# Altium PCB Placa adaptadora TMS320F28335 - PCB.PcbDoc (part 1 of 2)
Units mil, origin at the board's own origin, x right, y up, seen from the top; angles counter-clockwise.
Board outline 7480.31 x 3149.61 mil, 2 copper layers (Top Layer, Bottom Layer); 137 components, 135 nets, 584 pads, 114 vias.
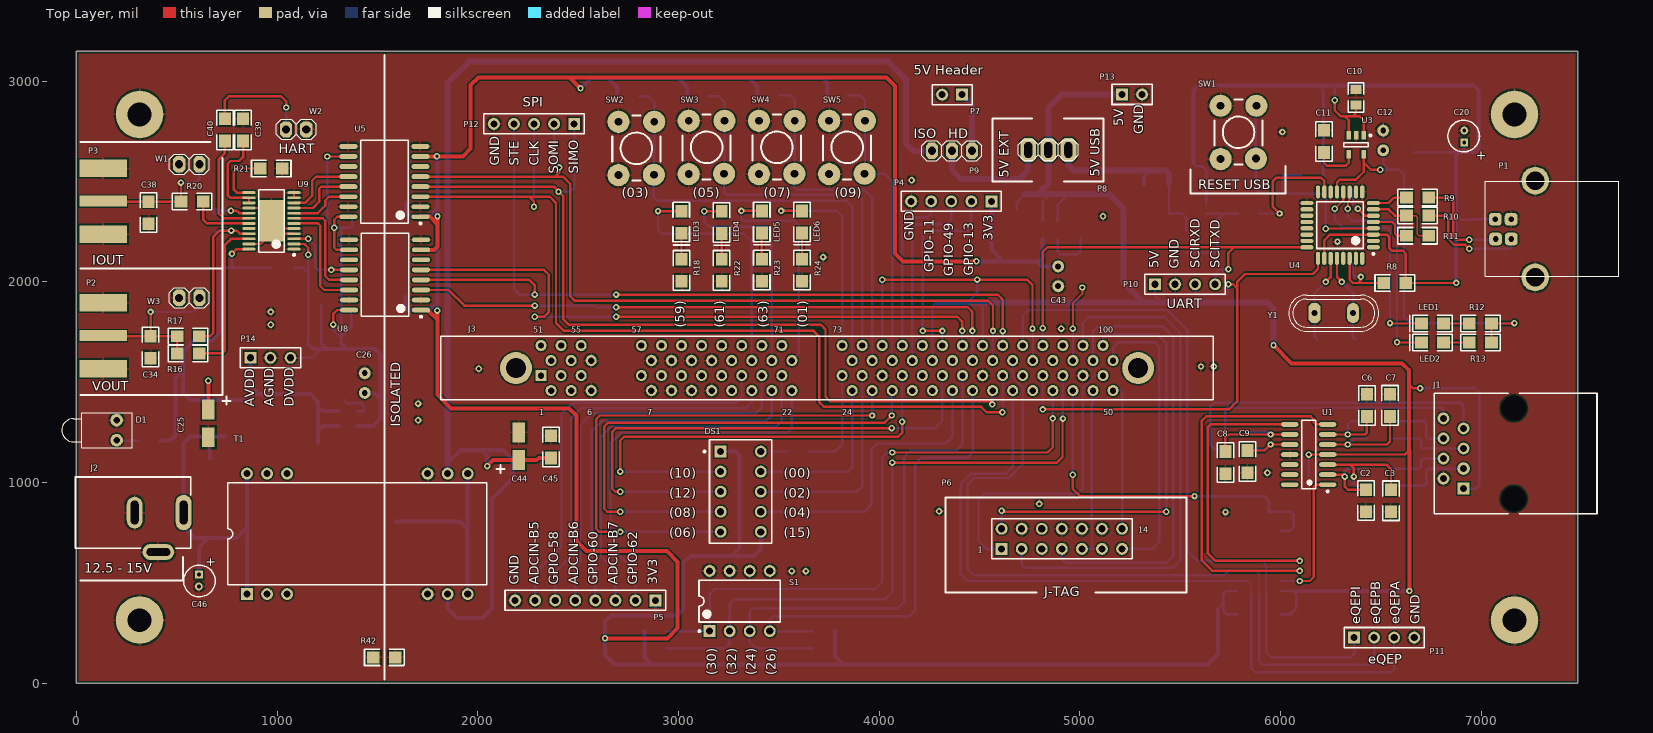
[diagram p0: Top Layer view]
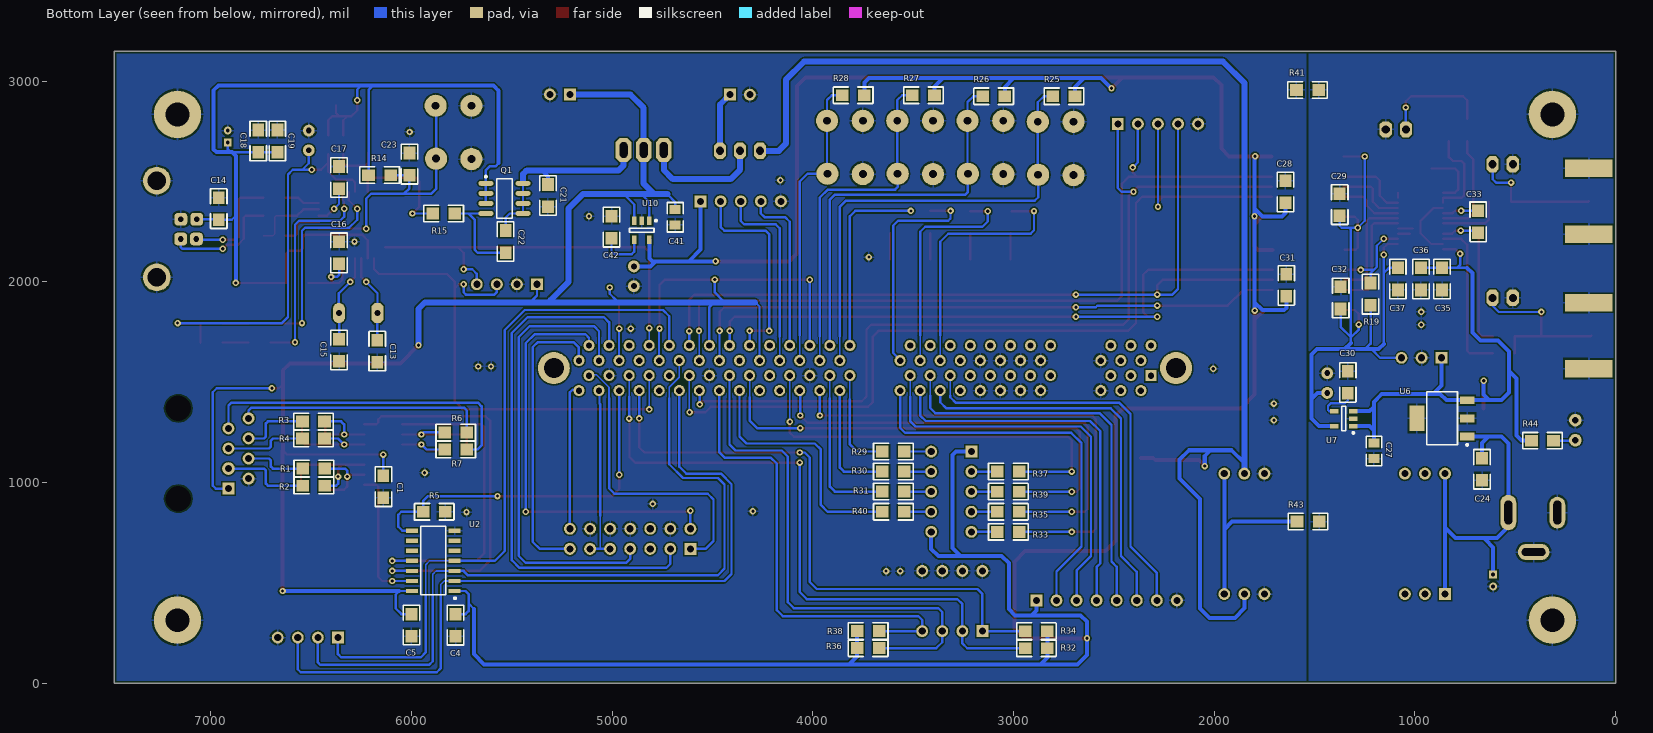
[diagram p1: Bottom Layer view, seen from below]
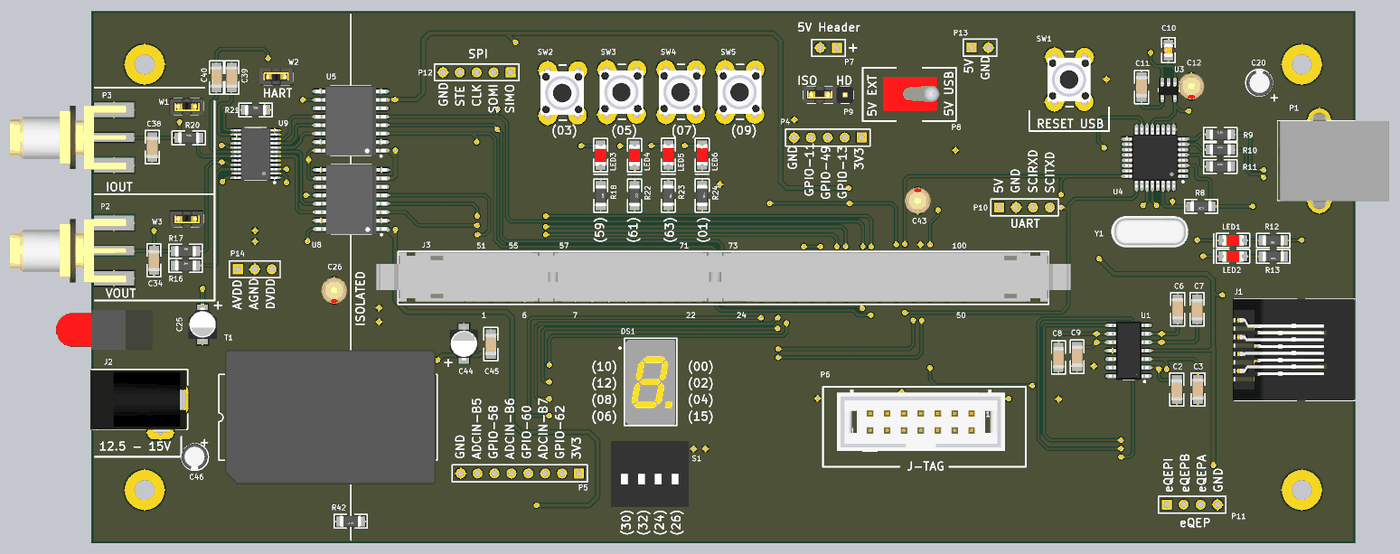
[diagram p3: 3D render of the assembled board from above, using the file's embedded part models]
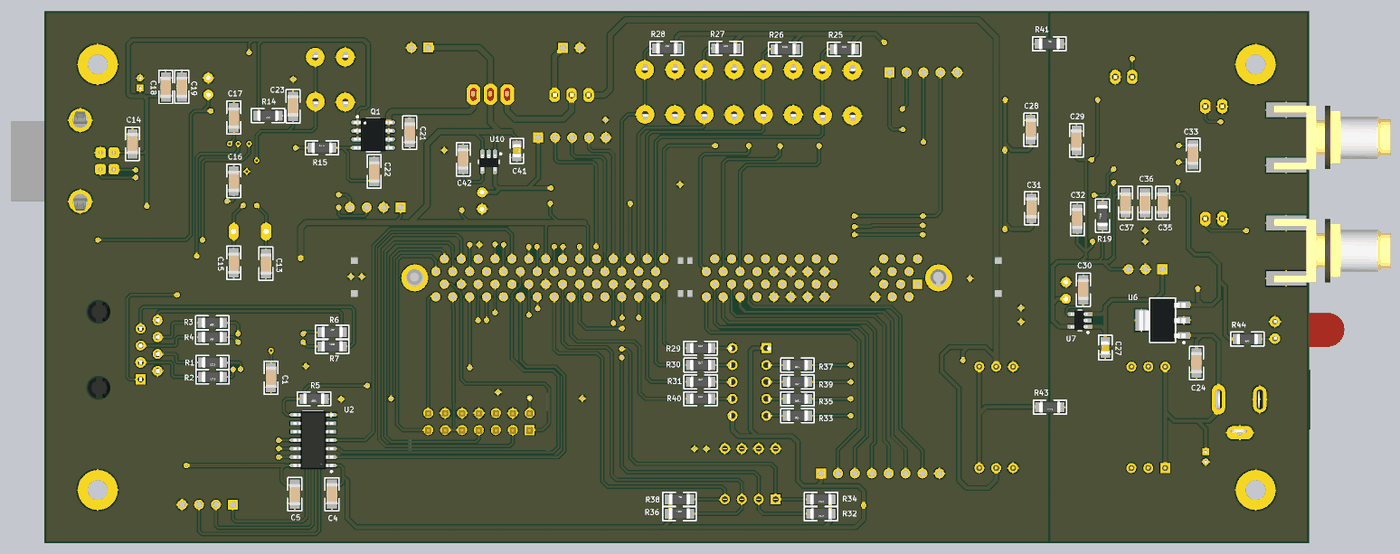
[diagram p4: 3D render of the assembled board from below, using the file's embedded part models]

## Layer stack, top to bottom
Top Solder: solder mask 0.4, Solder Resist, Dk 3.5
Top Layer: signal copper 1.4
Dielectric 1: dielectric 12.6, FR-4, Dk 4.8
Bottom Layer: signal copper 1.4
Bottom Solder: solder mask 0.4, Solder Resist, Dk 3.5

## Board outline
0,0 0,3149.61 7480.31,3149.61 7480.31,0 0,0

## Design rules (kind name [scope] priority, off if disabled: settings)
Clearance [All] p1: gap=7
PolygonConnect [All] p1: connectstyle=Relief reliefconductorwidth=10 reliefentries=4 polygonreliefangle="90 Angle" airgapwidth=10
RoutingVias [All] p1: holewidth=16 width=32 viastyle="Through Hole" minholewidth=16 minwidth=28 maxholewidth=28 maxwidth=50
SilkToSolderMaskClearance [IsPad] p1: minsilkscreentomaskgap=7 clearancetoexposedcopper=TRUE
SolderMaskExpansion [All] p1: expansion=4
Width [All] p1: maxlimit=30 minlimit=6 preferedwidth=8
29 further rules are at their usual default settings.

## Classes and differential pairs
component class TMS320F28335: DS1 J3 LED3 LED4 LED5 LED6 P4 P5 P6 P10 "P10 - uart" P11 P12 R18 R22 R23 R24 R25 R26 R27 R28 R29 R30 R31 R32 R33 R34 R35 R36 R37 R38 R39 R40 S1 SW2 "SW2 (GPIO" SW3 SW4 SW5
component class Encoder: C1 C2 C3 C4 C5 C6 C7 C8 C9 J1 R1 R2 R3 R4 R5 R6 R7 U1 U2
component class DAC: C24 C25 C26 C27 C28 C29 C30 C31 C32 C33 C34 C35 C36 C37 C38 C39 C40 D1 P2 P3 P14 R16 R17 R19 R20 R21 R44 U5 U6 U7 U8 U9 W1 W2 W3
component class USB-UART: C10 C11 C12 C13 C14 C15 C16 C17 C18 C19 C20 C21 C22 C23 LED1 LED2 P1 Q1 R8 R9 R10 R11 R12 R13 R14 R15 SW1 U3 U4 Y1
component class "Power Supply": C41 C42 C43 C44 C45 C46 J2 P7 P8 P9 P13 R41 R42 R43 T1 T* U10

## Components (designator, comment, footprint, x,y, rotation, side; value= is the part's Value field where it differs from the comment)
C1 "C0.1u" "C 1206" 6140,980 r90 bottom
C2 "C?" "C 1206" 6425,910 r270 top
C3 "C?" "C 1206" 6550,910 r90 top
C4 "C0.1u" "C 1206" 5780,290 r90 bottom
C5 "C0.1u" "C 1206" 6000,290 r270 bottom
C6 "C?" "C 1206" 6430,1385 r90 top
C7 "C?" "C 1206" 6545,1385 r270 top
C8 "C?" "C 1206" 5725,1100 r270 top
C9 "C?" "C 1206" 5835,1105 r90 top
C10 "C1u" 0805 6375,2919.25 r90 top
C11 "C10n" "C 1206" 6216.24,2700.13 r90 top
C12 "CT2.2u" Tantalum 6511.24,2705.13 r90 top
C13 "C27p" "C 1206" 6170,1654.88 r270 bottom
C14 "C10n" "C 1206" 6960,2365 r90 bottom
C15 "C27p" "C 1206" 6360,1659.88 r270 bottom
C16 "C0.1u" "C 1206" 6360,2145 r270 bottom
C17 "C33n" "C 1206" 6360,2520 r270 bottom
C18 "C0.1u" "C 1206" 6762.91,2701.76 r270 bottom
C19 "C0.1u" "C 1206" 6667.91,2701.87 r270 bottom
C20 "C10u" CAP4x7x1.5mm 6915,2725 r90 top
C21 "C0.1u" "C 1206" 5320,2430 r270 bottom
C22 "C0.1u" "C 1206" 5530,2200.87 r270 bottom
C23 "C0.1u" "C 1206" 6010,2587 r90 bottom
C24 "C0.1u" "C 1206" 665.35,1066.93 r90 bottom
C25 "C10u" "Almn cap" 657.48,1295.28 r90 top
C26 "CT2.2u" Tantalum 1437.01,1496.06 r90 top
C27 "C1u" 0805 1204.72,1157.48 r90 bottom
C28 "C0.1u" "C 1206" 1645.67,2448.82 r90 bottom
C29 "C0.1u" "C 1206" 1375,2385 r90 bottom
C30 "C10n" "C 1206" 1334.65,1500 r90 bottom
C31 "C0.1u" "C 1206" 1641.06,1982.99 r90 bottom
C32 "C0.1u" "C 1206" 1370,1920 r90 bottom
C33 "C1n" "C 1206" 685,2300 r90 bottom
C34 "C0.1u" "C 1206" 370,1675 r270 top
C35 "C100p" "C 1206" 865,2015 r270 bottom
C36 "C0.1u" "C 1206" 970,2015 r270 bottom
C37 "C0.1uF" "C 1206" 1085,2015 r270 bottom
C38 "C0.1u" "C 1206" 360,2345 r270 top
C39 "C0.1u" "C 1206" 830.68,2757.16 r90 top
C40 "C22n" "C 1206" 740.13,2757.16 r90 top
C41 "C1u" 0805 4685.04,2322.83 r270 bottom
C42 "C10n" "C 1206" 5002.83,2272.83 r90 bottom
C43 "CT2.2u" Tantalum 4891.57,2028.15 r270 top
C44 "C10u" "Almn cap" 2204.72,1181.1 r270 top
C45 "C0.1u" "C 1206" 2364.54,1178.04 r270 top
C46 "C10u" CAP4x7x1.5mm 610.24,511.81 r270 top
D1 "LED" LED-1 200.79,1261.41 r180 top
DS1 "Dpy Amber-CA" A 3310,955 r0 top
J1 "RJ-45 connector" 15-43-6588 7576.35,1145.13 r90 top
J2 "Jack connector" jack 5,1310 r0 top
J3 "DIM100" 390213-1 3740.16,1570.87 r0 top
LED1 "Led smd" "LED 1206" 6688.18,1868.38 r180 top
LED2 "Led smd" "LED 1206" 6688.18,1773.38 r180 top
LED3 "Led smd" "LED 1206" 2938.94,2229 r270 top
LED4 "Led smd" "LED 1206" 3140,2228 r270 top
LED5 "Led smd" "LED 1206" 3340,2230 r270 top
LED6 "Led smd" "LED 1206" 3540,2230 r270 top
P1 "USB-B" USBB 7336.59,2263.13 r180 top
P2 "sma" sma 128,1735 r180 top
P3 "sma" sma 128,2405 r180 top
P4 "Header 5" HDR1X5 4559.06,2401.57 r180 top
P5 "Header 8" HDR1X8 2885.83,413.39 r180 top
P6 "Header 7X2" HDR2X7 4610,670 r0 top
P7 "5V Header" HDR1X2 4413.39,2933.07 r180 top
P8 "5V SW" "Toggle sw" 4842.52,2657.48 r180 top
P9 "Jumper 2" "Jumper 2" 4362.2,2653.54 r0 top
P10 "Header 4" HDR1X4 5374.02,1988.19 r0 top
P11 "Header 4" HDR1X4 6366.14,228.35 r0 top
P12 "Header 5" HDR1X5 2480.32,2787.4 r180 top
P13 "5V Header" HDR1X2 5210,2934 r0 top
P14 "Header" HDR1X3 867,1622 r0 top
Q1 "IRF7425" SO-8_L 5536.24,2416 r180 bottom
R1 "R?" "R 1206" 6555,1145 r0 bottom
R2 "R?" "R 1206" 6555,1060 r0 bottom
R3 "R?" "R 1206" 6556.35,1380.25 r0 bottom
R4 "R?" "R 1206" 6556.35,1295.25 r0 bottom
R5 "R1k" "R 1206" 5955,930 r0 bottom
R6 "R?" "R 1206" 5710,1175 r180 bottom
R7 "R?" "R 1206" 5710,1090 r180 bottom
R8 "R470" "R 1206" 6500,2069.88 r180 top
R9 "R27" "R 1206" 6751.24,2345.13 r0 top
R10 "R27" "R 1206" 6751.24,2255.13 r0 top
R11 "R1k5" "R 1206" 6751.24,2155.13 r0 top
R12 "R220" "R 1206" 6927.06,1868.13 r180 top
R13 "R220" "R 1206" 6927.06,1773.13 r180 top
R14 "R1k" "R 1206" 6227,2607 r0 bottom
R15 "R1k" "R 1206" 5770,2265.87 r180 bottom
R16 "R15" "R 1206" 625.73,1569 r0 top
R17 "R15" "R 1206" 625.73,1654 r0 top
R18 "R220" "R 1206" 2940,1989 r270 top
R19 "R10k" "R 1206" 1145.67,2007.87 r90 bottom
R20 "R15" "R 1206" 645,2325 r0 top
R21 "R15k" "R 1206" 1040,2490 r0 top
R22 "R220" "R 1206" 3140,1989 r270 top
R23 "R220" "R 1206" 3340,1990 r270 top
R24 "R220" "R 1206" 3540,1990 r270 top
R25 "R1k" "R 1206" 2680,2850 r180 bottom
R26 "R1k" "R 1206" 3030,2850 r180 bottom
R27 "R1k" "R 1206" 3380,2855 r180 bottom
R28 "R1k" "R 1206" 3730,2855 r180 bottom
R29 "R1k" "R 1206" 3530,1080 r180 bottom
R30 "R1k" "R 1206" 3530,980 r180 bottom
R31 "R1k" "R 1206" 3530,880 r180 bottom
R32 "R1k" "R 1206" 2955,335 r0 bottom
R33 "R1k" "R 1206" 3095,830 r0 bottom
R34 "R1k" "R 1206" 2955,250 r0 bottom
R35 "R1k" "R 1206" 3095,930 r0 bottom
R36 "R1k" "R 1206" 3655,100 r180 bottom
R37 "R1k" "R 1206" 3095,1130 r0 bottom
R38 "R1k" "R 1206" 3655,185 r180 bottom
R39 "R1k" "R 1206" 3095,1030 r0 bottom
R40 "R1k" "R 1206" 3530,780 r180 bottom
R41 "R0" "R 1206" 1466.5,2881.89 r180 bottom
R42 "R0" "R 1206" 1465.5,204.72 r180 top
R43 "R0" "R 1206" 1601,881 r0 bottom
R44 "R15k" "R 1206" 433.07,1284.03 r0 bottom
S1 "SW-DIP4" DIP-8 3305,410 r90 top
SW1 "Switch" "TACT SW" 5790,2745 r90 top
SW2 "Switch" "TACT SW" 2790,2665 r90 top
SW3 "Switch" "TACT SW" 3140,2670 r90 top
SW4 "Switch" "TACT SW" 3490,2670 r90 top
SW5 "Switch" "TACT SW" 3840,2670 r90 top
T1 "TP TEL3-1211" DIL24 1400,745 r0 top
U1 "LM324AM" M14A_N 6140,1140 r180 top
U2 "TXB0104DR" SOIC-14 5785,660 r90 bottom
U3 "LP2985-33DBVR" TI-DBV5_N 6376.59,2683.13 r270 top
U4 "FT232BL" LQFP-32_N 6296.59,2282.89 r180 top
U5 "ISO7631FMDWR" DW0016A_N 1535,2500 r180 top
U6 "LM2937-12" DCY4 865,1320 r0 bottom
U7 "LP2985-33DBVR" TI-DBV5_N 1354.33,1318.9 r0 bottom
U8 "ISO7631FMDWR" DW0016A_N 1537.87,2035 r180 top
U9 "uA78M33" PWP 972.2,2304.25 r180 top
U10 "LP2985-33DBVR" TI-DBV5_N 4852.2,2257.89 r270 bottom
W1 "Jumper" Jumper 562.99,2586.61 r180 top
W2 "Jumper" Jumper 1095,2760 r0 top
W3 "Jumper" Jumper 562.99,1921.26 r180 top
Y1 "Cristal de Cuarzo" "Y TRHU" 6265,1844.88 r0 top

## Footprints (in the part's own frame and the unit in brackets; to place one, negate y for a bottom-side part, rotate by r counter-clockwise, add the part's x,y. Pads: shape width x height; smd on the part's side, far side on the other; paste and mask are expansions set on the pad)
15-43-6588 [mm] "Connector; PCB Jack, Thru-Hole; 1-Port, 8 Positions, 8 Loaded; Unshielded without Lightpipes; Right Angle"
  rect 1.5x1.5 hole 0.9: 1(-4.445,16.89)
  round 1.5 hole 0.9: 2(-3.175,19.43) 4(-0.635,19.43) 5(0.635,16.89) 6(1.905,19.43) 7(3.175,16.89) 8(4.445,19.43)
  round 1.6 hole 0.9: 3(-1.905,16.89)
  round 2.95 hole 3.25 unplated: MH1(-5.715,10.54) MH2(5.715,10.54)
  silkscreen extent -7.62,0 7.62,20.58, body extent -7.62,2.54 7.62,20.83, height 12.8
0805 [mm]
  rect 1.15x1.4 smd: 1(-0.964,-0.019) 2(0.991,-0.019)
  silkscreen extent -1.85,-1.02 1.88,0.98, body extent -1.02,-0.62 0.98,0.63, height 0.78
390213-1 [mm] "Connector; DIMM II; 100 Position; Vertical"
  rect 1.4x1.4 hole 0.81: 1(-36.195,-0.95)
  round 1.4 hole 0.81: 2(-34.925,-2.85) 3(-33.655,-0.95) 4(-32.385,-2.85) 5(-31.115,-0.95) 6(-29.845,-2.85) 7(-23.495,-0.95) 8(-22.225,-2.85) 9(-20.955,-0.95) 10(-19.685,-2.85) 11(-18.415,-0.95) 12(-17.145,-2.85) 13(-15.875,-0.95) 14(-14.605,-2.85) 15(-13.335,-0.95) 16(-12.065,-2.85) 17(-10.795,-0.95) 18(-9.525,-2.85) 19(-8.255,-0.95) 20(-6.985,-2.85) 21(-5.715,-0.95) 22(-4.445,-2.85) 23(1.905,-0.95) 24(3.175,-2.85) 25(4.445,-0.95) 26(5.715,-2.85) 27(6.985,-0.95) 28(8.255,-2.85) 29(9.525,-0.95) 30(10.795,-2.85) 31(12.065,-0.95) 32(13.335,-2.85) 33(14.605,-0.95) 34(15.875,-2.85) 35(17.145,-0.95) 36(18.415,-2.85) 37(19.685,-0.95) 38(20.955,-2.85) 39(22.225,-0.95) 40(23.495,-2.85) 41(24.765,-0.95) 42(26.035,-2.85) 43(27.305,-0.95) 44(28.575,-2.85) 45(29.845,-0.95) 46(31.115,-2.85) 47(32.385,-0.95) 48(33.655,-2.85) 49(34.925,-0.95) 50(36.195,-2.85) 51(-36.195,2.85) 52(-34.925,0.95) 53(-33.655,2.85) 54(-32.385,0.95) 55(-31.115,2.85) 56(-29.845,0.95) 57(-23.495,2.85) 58(-22.225,0.95) 59(-20.955,2.85) 60(-19.685,0.95) 61(-18.415,2.85) 62(-17.145,0.95) 63(-15.875,2.85) 64(-14.605,0.95) 65(-13.335,2.85) 66(-12.065,0.95) 67(-10.795,2.85) 68(-9.525,0.95) 69(-8.255,2.85) 70(-6.985,0.95) 71(-5.715,2.85) 72(-4.445,0.95) 73(1.905,2.85) 74(3.175,0.95) 75(4.445,2.85) 76(5.715,0.95) 77(6.985,2.85) 78(8.255,0.95) 79(9.525,2.85) 80(10.795,0.95) 81(12.065,2.85) 82(13.335,0.95) 83(14.605,2.85) 84(15.875,0.95) 85(17.145,2.85) 86(18.415,0.95) 87(19.685,2.85) 88(20.955,0.95) 89(22.225,2.85) 90(23.495,0.95) 91(24.765,2.85) 92(26.035,0.95) 93(27.305,2.85) 94(28.575,0.95) 95(29.845,2.85) 96(31.115,0.95) 97(32.385,2.85) 98(33.655,0.95) 99(34.925,2.85) 100(36.195,0.95)
  round 4.04 hole 2.54: 101(-39.365,0) 102(39.365,0)
  silkscreen extent -48.9,-4 48.9,4, body extent -52.2,-3.56 52.3,3.81, height 23.95
A [mm] "LED, 7-Segment Display, 7.62 mm, RHD; 10 Leads; Row Space 5.08 mm; Pitch 2.54 mm"
  rect 1.5x1.5 hole 0.9: 1(-2.54,5.08)
  round 1.5 hole 0.9: 2(-2.54,2.54) 3(-2.54,0) 4(-2.54,-2.54) 5(-2.54,-5.08) 6(2.54,-5.08) 7(2.54,-2.54) 8(2.54,0) 9(2.54,2.54) 10(2.54,5.08)
  silkscreen extent -4.72,-6.55 3.95,6.55, body extent -3.81,-6.45 3.69,6.35, height 6
"Almn cap" [mm]
  rect 2.5x1.6 smd: 1(1.75,0) 2(-1.75,0)
  silkscreen extent 2.37,-2.83 3.37,-1.83, body extent -2.5,-2.15 2.5,2.15, height 6.42
"C 1206" [mm]
  rect 1.6x1.5 smd: 1(-1.4,0) 2(1.4,0)
  silkscreen extent -2.51,-1.05 2.5,1.03, body extent -1.54,-0.8 1.66,0.8, height 0.77
CAP4x7x1.5mm [mm]
  rect 1x1 hole 0.5: 1(-0.756,-0.002)
  round 1 hole 0.5: 2(0.744,-0.002)
  silkscreen extent -1.96,-1.93 2.04,2.07, body extent -2,-2 2,2, height 7
DCY4 [mm]
  rect 1.85x1 smd: 1(-3.179,2.297) 2(-3.179,-0.003) 3(-3.179,-2.303)
  rect 1.85x3.2 smd: 4(3.171,-0.003)
  silkscreen extent -3.3,-3.35 1.95,3.47, body extent -3.43,-3.22 3.53,3.28, height 1.65
DIL24 [mm]
  rect 1.5x1.5 hole 0.9: 1(-13.97,-7.62)
  round 1.5 hole 0.9: 2(-11.43,-7.62) 3(-8.89,-7.62) 10(8.89,-7.62) 11(11.43,-7.62) 12(13.97,-7.62) 13(13.97,7.62) 14(11.43,7.62) 15(8.89,7.62) 22(-8.89,7.62) 23(-11.43,7.62) 24(-13.97,7.62)
  silkscreen extent -16.4,-6.45 16.4,6.45, body extent -15.5,-10.07 16.2,10.13, height 10.5
DIP-8 [mm] "DIP; 8 Leads; Row Spacing 7.62 mm; Pitch 2.54 mm"
  rect 1.5x1.5 hole 0.9: 1(-3.81,3.81)
  round 1.5 hole 0.9: 2(-3.81,1.27) 3(-3.81,-1.27) 4(-3.81,-3.81) 5(3.81,-3.81) 6(3.81,-1.27) 7(3.81,1.27) 8(3.81,3.81)
  silkscreen extent -3.93,-5.15 2.65,5.23, body extent -4.95,-5.86 4.95,5.86, height 7.3
DW0016A_N [mm] "SOIC, 16-Leads, Body 10.5x7.6mm, Pitch 1.27mm, IPC Medium Density"
  oval 2.3x0.6 smd: 1(-4.55,4.445) 2(-4.55,3.175) 3(-4.55,1.905) 4(-4.55,0.635) 5(-4.55,-0.635) 6(-4.55,-1.905) 7(-4.55,-3.175) 8(-4.55,-4.445) 9(4.55,-4.445) 10(4.55,-3.175) 11(4.55,-1.905) 12(4.55,-0.635) 13(4.55,0.635) 14(4.55,1.905) 15(4.55,3.175) 16(4.55,4.445)
  silkscreen extent -4.68,-5.25 3,5.42, body extent -5.31,-5.25 5.32,5.25, height 2.72
HDR1X2 [mm] "Connector; Header; 2 Position"
  rect 1.5x1.5 hole 0.9: 1(0,0)
  round 1.5 hole 0.9: 2(2.54,0)
  silkscreen extent -1.27,-1.27 3.81,1.27
HDR1X3 [mm] "Connector; Header; 3 Position"
  rect 1.5x1.5 hole 0.9: 1(0,0)
  round 1.5 hole 0.9: 2(2.54,0) 3(5.08,0)
  silkscreen extent -1.27,-1.27 6.35,1.27
HDR1X4 [mm] "Connector; Header; 4 Position"
  rect 1.5x1.5 hole 0.9: 1(0,0)
  round 1.5 hole 0.9: 2(2.54,0) 3(5.08,0) 4(7.62,0)
  silkscreen extent -1.27,-1.27 8.89,1.27
HDR1X5 [mm] "Connector; Header; 5 Position"
  rect 1.5x1.5 hole 0.9: 1(0,0)
  round 1.5 hole 0.9: 2(2.54,0) 3(5.08,0) 4(7.62,0) 5(10.16,0)
  silkscreen extent -1.27,-1.27 11.43,1.27
HDR1X8 [mm] "Connector; Header; 8 Position"
  rect 1.5x1.5 hole 0.9: 1(0,0)
  round 1.5 hole 0.9: 2(2.54,0) 3(5.08,0) 4(7.62,0) 5(10.16,0) 6(12.7,0) 7(15.24,0) 8(17.78,0)
  silkscreen extent -1.27,-1.27 19.05,1.27
HDR2X7 [mm] "Connector; Header; 7x2 Position"
  rect 1.5x1.5 hole 0.9: 1(0,0)
  round 1.5 hole 0.9: 2(0,2.54) 3(2.54,0) 4(2.54,2.54) 5(5.08,0) 6(5.08,2.54) 7(7.62,0) 8(7.62,2.54) 9(10.16,0) 10(10.16,2.54) 11(12.7,0) 12(12.7,2.54) 13(15.24,0) 14(15.24,2.54)
  silkscreen extent -1.27,-1.27 16.51,3.81, body extent -5.02,-3.27 20.26,6.13, height 8.9
jack [mm]
  oval 2x4.5 hole 1 slot 3 at 90 deg: 1(13.446,-11.657)
  oval 2x4 hole 1 slot 3 at 90 deg: 2(7.246,-11.657)
  oval 4x2 hole 1 slot 3 at 0 deg: 3(10.246,-16.657)
  silkscreen extent -0.25,-16.16 14.35,-7.16, body extent -0.3,-16.61 14.1,-7.21, height 11.15
Jumper [mil]
  oct 60x80 hole 40: 1(-49.57,0.2) 2(50.43,0.2)
  silkscreen extent -100,-50 100,50, body extent -100,-50 100,51, height 354
"Jumper 2" [mil]
  oct 60x80 hole 40: 1(-100,0) 2(0,0) 3(100,0)
  silkscreen extent -150,-50 150,50, body extent -151,-48 149,50, height 338
"LED 1206" [mm]
  rect 1.6x1.5 smd: 1(-3.144,1.911) 2(-0.344,1.911)
  silkscreen extent -4.25,0.86 1.14,2.95, body extent -3.35,1.11 -0.15,2.71, height 1.1
LED-1 [mm] "LED; 2 Leads"
  round 1.6 hole 0.8: 1(0,1.27) 2(0,-1.27)
  silkscreen extent -2,-2.2 6.95,2.2, body extent -4.06,-3.05 10.41,2.95, height 6
LQFP-32_N [mm] "Thin QFP, 32-Leads, Body 7x7mm, Pitch 0.8mm, IPC Medium Density"
  oval 1.65x0.55 smd: 1(-4.2,2.8) 2(-4.2,2) 3(-4.2,1.2) 4(-4.2,0.4) 5(-4.2,-0.4) 6(-4.2,-1.2) 7(-4.2,-2) 8(-4.2,-2.8) 17(4.2,-2.8) 18(4.2,-2) 19(4.2,-1.2) 20(4.2,-0.4) 21(4.2,0.4) 22(4.2,1.2) 23(4.2,2) 24(4.2,2.8)
  oval 0.55x1.65 smd: 9(-2.8,-4.2) 10(-2,-4.2) 11(-1.2,-4.2) 12(-0.4,-4.2) 13(0.4,-4.2) 14(1.2,-4.2) 15(2,-4.2) 16(2.8,-4.2) 25(2.8,4.2) 26(2,4.2) 27(1.2,4.2) 28(0.4,4.2) 29(-0.4,4.2) 30(-1.2,4.2) 31(-2,4.2) 32(-2.8,4.2)
  silkscreen extent -4.33,-2.95 2.95,3.75, body extent -4.5,-4.5 4.5,4.5, height 1.5
M14A_N [mm] "SOIC, 14-Leads, Body 8.6x3.9mm, Pitch 1.27mm, IPC Medium Density"
  oval 2.2x0.6 smd: 1(-2.4,3.81) 2(-2.4,2.54) 3(-2.4,1.27) 4(-2.4,0) 5(-2.4,-1.27) 6(-2.4,-2.54) 7(-2.4,-3.81) 8(2.4,-3.81) 9(2.4,-2.54) 10(2.4,-1.27) 11(2.4,0) 12(2.4,1.27) 13(2.4,2.54) 14(2.4,3.81)
  silkscreen extent -2.53,-4.35 0.9,4.78, body extent -3,-4.4 3,4.4, height 1.7
PWP [mm]
  oval 1.7x0.35 smd: 1(-2.85,3.575) 2(-2.85,2.925) 3(-2.85,2.275) 4(-2.85,1.625) 5(-2.85,0.975) 6(-2.85,0.325) 7(-2.85,-0.325) 8(-2.85,-0.975) 9(-2.85,-1.625) 10(-2.85,-2.275) 11(-2.85,-2.925) 12(-2.85,-3.575) 13(2.85,-3.575) 14(2.85,-2.925) 15(2.85,-2.275) 16(2.85,-1.625) 17(2.85,-0.975) 18(2.85,-0.325) 19(2.85,0.325) 20(2.85,0.975) 21(2.85,1.625) 22(2.85,2.275) 23(2.85,2.925) 24(2.85,3.575)
  rect 3.2x5.26 smd: 25(0,0)
  silkscreen extent -2.98,-3.95 1.6,4.42, body extent -3.27,-3.95 3.28,3.95, height 1.2
"R 1206" [mm]
  rect 1.6x1.5 smd: 1(-3.144,1.911) 2(-0.344,1.911)
  silkscreen extent -4.25,0.86 0.75,2.95, body extent -3.34,1.11 -0.14,2.71, height 1
sma [mm]
  rect 6x1.4 smd: 1(-0.152,0.068)
  rect 6x2.2 smd: 2(-0.152,4.234) 2(-0.152,-4.098)
  rect 6x2.2 smd far side: 2(-0.152,4.234) 2(-0.152,-4.098)
  body extent -1.92,-4.68 15.54,4.85, height 5.27
SO-8_L [mm] "SOIC, 8-Leads, Body 4.9x3.9mm, Pitch 1.27mm, IPC High Density"
  oval 1.9x0.6 smd: 1(-2.35,1.905) 2(-2.35,0.635) 3(-2.35,-0.635) 4(-2.35,-1.905) 5(2.35,-1.905) 6(2.35,-0.635) 7(2.35,0.635) 8(2.35,1.905)
  silkscreen extent -2.48,-2.5 1,2.88, body extent -2.89,-2.41 2.89,2.49, height 1.45
SOIC-14 [mm]
  rect 0.55x1.5 smd: 1(-5.08,0) 2(-3.81,0) 3(-2.54,0) 4(-1.27,0) 5(0,0) 6(1.27,0) 7(2.54,0) 8(2.54,5.4) 9(1.27,5.4) 10(0,5.4) 11(-1.27,5.4) 12(-2.54,5.4) 13(-3.81,5.4) 14(-5.08,5.4)
  silkscreen extent -6.12,-0.18 3.1,4.3, body extent -5.67,-0.33 3.13,5.67, height 1.7
"TACT SW" [mm]
  round 2.8 hole 1: 1(-3.375,2.262) 1(3.375,2.262) 2(-3.325,-2.212) 2(3.375,-2.262)
  silkscreen extent -4.06,-3.05 4.19,3.05, body extent -4.13,-3.18 4.13,3.33, height 5.25
Tantalum [mm]
  round 1.5 hole 0.75: 1(-1.25,0) 2(1.25,0)
  body extent -1.98,-1.98 1.98,1.98, height 7.39
TI-DBV5_N [mm] "SOT23, 5-Leads, Body 2.9x1.6mm, Pitch 0.95mm, IPC Medium Density"
  rect 1.1x0.6 smd: 1(-1.2,0.95) 2(-1.2,0) 3(-1.2,-0.95) 4(1.2,-0.95) 5(1.2,0.95)
  silkscreen extent -1.32,-1.55 0.25,1.93, body extent -1.12,-1.5 1.38,1.5, height 1.06
"Toggle sw" [mm]
  oct 2x3 hole 1 slot 2 at 90 deg: 1(-2.54,0) 2(0,0) 3(2.54,0)
  silkscreen extent -3.81,-1.27 3.81,1.27, body extent -4.51,-2.62 3.98,2.46, height 2.8
USBB [mm]
  round 3.5 hole 2.3: 0(1.725,6.1) 0(1.725,-6.125)
  rrect50% 1.6x1.6 hole 0.7: 1(6.775,-1.248) 2(6.75,1.25) 3(4.75,1.25) 4(4.785,-1.248)
  silkscreen extent -8.85,-6.05 8.05,5.95, body extent -8.7,-7.43 7.6,7.43, height 10.25
"Y TRHU" [mm] "Cristal de cuarzo pasante."
  oct 1.524x2.54 hole 0.8: 1(-2.44,0)
  oval 1.524x2.54 hole 0.8: 2(2.44,0)
  silkscreen extent -5.71,-2.29 5.71,2.29, body extent -5.63,-2.35 5.72,2.3, height 3.5

## Part data
C1 C2 C3 C4 C5 C6 C7 C8 C9 C10 C11 C13 C14 C15 C16 C17 C18 C19 C21 C22 C23 C24 C27 C28 C29 C30 C31 C32 C33 C34 C35 C36 C37 C38 C39 C40 C41 C42 C45: library part C, "Capacitor"
C12 C26 C43: library part "C Tantalum", "Tantalum capacitor"
C20 C25 C44 C46: library part "Capacitor pol", "Capacitor polarzado"
D1: library part LED1, "Typical RED GaAs LED"
DS1: "7.62 mm Black Surface Orange 7-Segment Display: CA, RH DP"
J1: library part 15-43-6588, "RJ-45 connector, 8-pins, ethernet"
J3: library part 390213-1, "Vertical, DIMM 2P Low Insertion Force, 100 Position"
LED1: library part LED, "LED red"
LED2: library part LED, "LED green"
LED3 LED5: library part LED, "Led green"
LED4 LED6: library part LED, "Led yellow"
P1: "Conector USB tipo B"
P4 P12: "Header, 5-Pin"
P5: "Header, 8-Pin"
P6: "Header, 7-Pin, Dual row"
P7 P13: library part "Header 2", "Header, 2-Pin"
P8: library part "toggle sw"
P10 P11: "Header, 4-Pin"
P14: library part "Header 3", "Header, 3-Pin"
Q1: "HEXFET Power MOSFET"
R1 R2 R3 R4 R5 R6 R7 R8 R9 R10 R11 R12 R13 R14 R15 R16 R17 R18 R19 R20 R21 R22 R23 R24 R25 R26 R27 R28 R29 R30 R31 R32 R33 R34 R35 R36 R37 R38 R39 R40 R41 R42 R43 R44: library part R, "Resistencia"
S1: "DIP Switch"
SW1 SW2 SW3 SW4 SW5: library part "Pulsador NA 4 term"
U1: "Low Power Quad Operational Amplifier, 14-pin Narrow SOIC"
U2: "IC VOLT-LEVEL TRANSLATOR 14-SOIC"
U3 U7 U10: library part LP2985-10DBVR, "Single Output Low Noise LDO, 150 mA, Fixed 3.3 V Output, 2.2 to 16 V Input, with Low IQ, 5-pin SOT-23 (DBV), -40 to 125 degC, Green (RoHS & no Sb/Br)"
U4: "USB UART Asynchronous Serial Data Transfer Chip, LQFP-32, Pb-Free"
U5 U8: library part ISO7641FMDWR, "150 Mbps 6 kVpk Low Power Quad Channels, Digital Isolator, 2.7 V / 3.3 V / 5 V, -40 to +125 degC, 16-pin SOIC (DW), Green (RoHS & no Sb/Br)"
U6: library part LM2937
U9: library part DAC8760, "DAC8760"
W1 W2 W3: "Jumper Wire"
Y1: "Cristal de 6Mhz"

## Free pads (board coordinates)
  round 236.22 hole 118.11: 2(314.96,2834.65) 3(314.96,314.96) 4(7165.35,314.96) 5(7165.35,2834.65)

## Via types
v1: diameter 32, hole 16, Top Layer to Bottom Layer, 114 vias

## Nets (pads, with @x,y where several pads share a name; then routed paths per layer and width w, separated by ;. In a path a pad name is that pad's centre, name@x,y a point inside that pad or via, vN(x,y) a via of type N, cw(c..) or ccw(c..) an arc to the next point about the centre after c; other vN are vias at no path point)
3V3: C4.2 C28.1 C31.1 C43.1 DS1.1 DS1.6 P4.1 P5.1 R25.2 R26.2 R27.2 R28.2 R32.1 R34.1 R36.1 R38.1 U2.1 U5.1 U5.7 U8.1 U8.7 U10.5 | length 17269.8
  Top Layer w20: U8.7@1709.13,2160 1782.05,2160 1799.21,2177.16 1799.21,2287 ; U5.1@1714.13,2325 1761.21,2325 1799.21,2287 ; U5.7@1714.13,2625 1798.23,2625 1799.21,2625.98 1925.2,2625.98 1964.57,2665.35 1964.57,2980.31 2003.94,3019.68 2456.69,3019.68 ; U8.1@1717.01,1860 1750.23,1860 1798.23,1812 ; v1@1797.44,2325 v1(1799.21,2326.77) 1799.21,2287 ; v1@1801.42,1860 1799.16,1856.68 1798.23,1855.32 1798.23,1812 ; v1(2511.81,2964.57) 2456.69,3019.68 ; v1(2633.86,224.41) 2944.88,224.41 2996.06,275.59 2996.06,605.32 2942.91,658.46 2542.32,658.46 2491.14,709.65 2491.14,1333.66 2454.72,1370.08 1866.14,1370.08 1798.23,1437.99 1798.23,1812 ; v1(4484.25,2102.95) 4117.52,2102.95 4078.74,2141.73 4078.74,2976.38 4035.43,3019.68 2456.69,3019.68
  Bottom Layer w12: 5688.98,371.61 5715,397.64 ; C4.2@5780,345.12 5729.88,345.12 5715,360 5715,397.64 ; U2.1@5785,460 5730,460 5715,445 5715,397.64
  Bottom Layer w20: C31.1@1641.06,1927.87 1641.06,1870.75 1652.56,1859.25 1759.84,1859.25 1798.23,1897.64 ; C28.1@1645.67,2393.7 1645.67,2342.52 1661.42,2326.77 1758.85,2326.77 1794.09,2362 1798.23,2362 ; v1@1795.28,2625.98 1798.23,2623.03 1798.23,2362 ; v1@1798.23,1855.32 v1(1798.23,1857.32) 1798.23,1897.64 ; v1(2511.81,2964.57) 2562.99,3015.75 2649.61,3015.75 ; R25.2@2693.53,2925.25 2693.53,2971.83 2649.61,3015.75 ; R32.1@2831.24,259.75 R34.1@2831.24,174.75 2831.24,129.39 2866.14,94.49 ; P5.1@2885.83,413.39 2885.83,362.2 2909.45,338.58 ; R26.2@3043.53,2925.25 3043.53,2972.22 3000,3015.75 ; DS1.1@3210,1155 3285.94,1155 3303.15,1137.8 3303.15,673.23 3263.78,633.86 ; R27.2@3393.53,2930.25 3393.53,2972.61 3350.39,3015.75 ; DS1.6@3410,755 3410,669.84 3374.02,633.86 3263.78,633.86 ; R28.2@3743.53,2930.25 3743.53,2992.69 3720.47,3015.75 3350.39,3015.75 ; R38.1@3778.76,260.25 R36.1@3778.76,175.25 3778.76,134.62 3818.9,94.49 2866.14,94.49 ; 3826.77,94.49 5637.8,94.49 5688.98,145.67 5688.98,371.61 ; v1(4484.25,2102.95) 4618.11,2102.95 ; P4.1@4559.06,2401.57 4559.06,2162.01 4618.11,2102.95 ; U10.5@4814.8,2210.65 4814.8,2117.95 4799.8,2102.95 4783.46,2102.95 ; C43.1@4891.57,2077.36 4809.06,2077.36 4783.46,2102.95 ; 1798.23,1897.64 1798.23,2362 ; 2649.61,3015.75 3000,3015.75 ; 2866.14,94.49 2681.1,94.49 2633.86,141.73 v1(2633.86,224.41) 2633.86,307.09 2665.35,338.58 2909.45,338.58 ; 2909.45,338.58 2992.13,338.58 3023.62,370.08 3023.62,598.43 3059.06,633.86 3263.78,633.86 ; 3000,3015.75 3350.39,3015.75 ; 4618.11,2102.95 4783.46,2102.95
  other v1: 1796.28,2625.98
"3V3 N/C": P6.5
3V3OUT: C17.2 U4.6 | length 201.7
  Top Layer w12: v1(6385,2364.88) 6419.75,2330.13 U4.6@6461.94,2330.13
  Bottom Layer w10: C17.2@6360,2464.88 6360,2389.88 v1(6385,2364.88)
5V: C1.2 C5.1 C41.1 J1.1 J3.77 J3.82 J3.87 J3.92 J3.96 P8.2 P10.1 P13.1 U1.4 U2.14 U10.1 U10.3 | length 10981
  Top Layer w10: v1(4964.57,1767.72) 4964.57,1893.7 5011.81,1940.94 v1(5011.81,1972.44)
  Top Layer w12: v1(4015.16,2011.22) 4015.75,2011.81 v1(4488.19,2011.81) 4736.22,2011.81 4763.78,1984.25 v1@4763.78,1771.65 ; v1(6140,1140) U1.4@6234.49,1140 6620,1140 6640,1160 ; 6640,1490 6660,1470 v1(6695,1470)
  Top Layer w20: v1(5964.57,1685.04) 6055.12,1594.49 6605.51,1594.49 6640,1560 6640,1490 6640,1160 6642,1158 v1(6642,460)
  Bottom Layer w10: J3.82@4265.16,1608.27 4265.16,1875.39 4287.4,1897.64 ; J3.92@4765.16,1608.27 v1@4765.16,1770.28 ; v1(4964.57,1767.72) 4965.16,1767.13 J3.96@4965.16,1608.27
  Bottom Layer w12: J3.77@4015.16,1683.07 v1@4015.16,2007.28 ; 4448.82,1908.07 4488.19,1947.44 v1(4488.19,2011.81) ; 4492.13,1897.64 4515.16,1874.61 J3.87@4515.16,1683.07 ; C41.1@4685.79,2360.79 4685.79,2398.39 4724.41,2437.01 ; U10.1@4814.8,2305.13 4814.8,2397.47 4854.33,2437.01 ; U10.3@4889.6,2305.13 4889.6,2385.66 4940.94,2437.01 ; 4980.31,1909.45 5011.81,1940.94 v1(5011.81,1972.44) ; P10.1@5374.02,1988.19 5374.02,1933.07 5409.45,1897.64 ; U2.14@5997.6,460 6061,460 6078.25,442.75 6078.25,373.25 6050.12,345.12 C5.1@6000,345.12 ; C1.2@6140,1035.12 v1(6140,1140) ; v1(6695,1470) 6970,1470 6990,1450 6990,985 6975.13,970.13 J1.1@6911.39,970.13
  Bottom Layer w20: 6061,460 v1(6642,460)
  Bottom Layer w30: 4287.4,1897.64 4492.13,1897.64 5409.45,1897.64 5933.07,1897.64 5964.57,1866.14 v1(5964.57,1685.04) ; 4724.41,2437.01 4789.37,2437.01 ; P13.1@5210,2934 4909,2934 4842.52,2867.52 P8.2@4842.52,2657.48 4842.52,2490.16 4789.37,2437.01 ; 5307.09,1909.45 5216.54,2000 5216.54,2366.14 5145.67,2437.01 4940.94,2437.01 4854.33,2437.01 4789.37,2437.01
  other v1: 4763.78,1767.72
"5V HEADER": P7.1 P9.3 | length 299.7
  Bottom Layer w30: P7.1@4413.39,2933.07 4462.2,2884.25 P9.3@4462.2,2653.54
"5V SUPPLY": C44.1 C45.2 P9.1 T1.11 T1.14 | length 6680.6
  Top Layer w20: v1(2047.24,1082.68) 2076.77,1112.2 C44.1@2204.72,1112.2 2293.31,1112.2 2304.02,1122.92 C45.2@2364.54,1122.92
  Bottom Layer w20: T1.11@1850,445 1850,374.41 1897.64,326.77 2023.62,326.77 2070.87,374.02 2070.87,917.4 2173.15,1019.68 2173.15,1114.25 2125.98,1161.42 2019.49,1161.42 ; 1850,1098.43 1912.99,1161.42 2019.49,1161.42 ; v1(2047.24,1082.68) 2047.24,1133.66 2019.49,1161.42
  Bottom Layer w30: T1.14@1850,1045 1850,1098.43 1850,2991.73 1956.69,3098.43 4043.31,3098.43 4133.86,3007.87 4133.86,2688.98 4169.29,2653.54 P9.1@4262.2,2653.54
"5V USB": C21.1 C22.1 P8.1 Q1.5 Q1.6 Q1.7 Q1.8 | length 1034.9
  Bottom Layer w12: Q1.8@5443.72,2491 Q1.7@5443.72,2441 Q1.6@5443.72,2391 Q1.5@5443.72,2341 5509.87,2341 5530,2320.87 C22.1@5530,2255.98
  Bottom Layer w20: C21.1@5320,2485.12 5320,2525.59 5350.39,2555.98
  Bottom Layer w30: P8.1@4942.52,2657.48 4942.52,2581.1 4967.64,2555.98 5350.39,2555.98 5424.88,2555.98 5443.72,2537.15 Q1.8@5443.72,2491
+VSENSE: R16.2 U9.22 | length 793.1
  Top Layer w12: R16.2@612.2,1644.25 726.93,1644.25 740.16,1657.48 740.16,2185.04 769.8,2214.68 U9.22@860,2214.68
A: U1.1 U2.13 | length 699.3
  Top Layer w12: v1(6095,510) 6145,510 6165,530 6165,980 6175,990 U1.1@6234.49,990
  Bottom Layer w12: U2.13@5997.6,510 v1(6095,510)
A+: J1.3 R2.2 | length 443.4
  Bottom Layer w12: R2.2@6541.47,984.75 6714.75,984.75 6725,995 6725,1060 6735.13,1070.13 J1.3@6911.39,1070.13
A-: J1.4 R1.2 | length 308.4
  Bottom Layer w12: R1.2@6541.47,1069.75 6541.72,1070 6690,1070 6700,1080 6700,1110 6710.13,1120.13 J1.4@6811.39,1120.13
ADCIN-B1: J3.9
ADCIN-B2: J3.11
ADCIN-B3: J3.13
ADCIN-B4: J3.15
ADCIN-B5: J3.17 P5.7 | length 2023.8
  Bottom Layer w8: 3315.16,1433.07 J3.17@3315.16,1533.46
  Bottom Layer w12: P5.7@2285.83,413.39 2285.83,549.61 2417.32,681.1 2417.32,1342.52 2472.44,1397.64 3287.4,1397.64 3315.16,1425.39 3315.16,1433.07
ADCIN-B6: J3.19 P5.5 | length 1984.7
  Bottom Layer w8: 3415.16,1433.07 J3.19@3415.16,1533.46
  Bottom Layer w12: P5.5@2485.83,413.39 2485.83,580.31 2511.81,606.3 2511.81,1287.4 2570.87,1346.46 3389.76,1346.46 3415.16,1371.85 3415.16,1433.07
ADCIN-B7: J3.21 P5.3 | length 2005
  Bottom Layer w8: 3515.16,1429.13 J3.21@3515.16,1533.46
  Bottom Layer w12: P5.3@2685.83,413.39 2685.83,562.2 2614.17,633.86 2614.17,1228.35 2665.35,1279.53 3488.19,1279.53 3515.16,1306.5 3515.16,1429.13
AGND: C24.1 C25.2 C26.2 C27.1 C29.2 C30.2 C32.2 C34.2 C35.2 C36.2 C37.2 C38.2 C39.2 C46.2 D1.2 J2.2 J2.3 P2.2 P3.2 P14.2 pad.2 pad.3 R21.2 R41.2 R42.2 R43.1 U5.9 U5.15 U6.2 U6.4 U7.2 U8.9 U8.15 U9.1 U9.4 U9.5 U9.11 U9.12 U9.16 U9.23 U9.25 W1.2 W2.2 W3.2 | length 492.6
  Top Layer w10: U9.23@860,2189.09 917.91,2189.09 972.2,2243.39 U9.25@972.2,2304.25 ; U9.16@860,2368.23 908.23,2368.23 ; U9.25@1010.59,2265.87 U9.5@1084.41,2265.87
  Top Layer w12: 908.23,2368.23 U9.25@972.2,2304.25 ; U9.25@1025.47,2240.28 U9.4@1084.41,2240.28 ; U9.11@1084.41,2419.41 U9.12@1084.41,2445
  other v1: 968.5,1786.42 968.5,1850.39
AGND1: R43.2 T1.12 T1.13 | length 974
  Bottom Layer w20: R43.2@1592.27,807.09 1910.63,807.09 1950,767.72 ; T1.12@1950,445 1950,767.72 ; T1.13@1950,1045 1950,767.72
ALARM#: R19.2 U8.12 U9.3 | length 464.5
  Top Layer w12: U9.3@1084.41,2214.68 1084.72,2215 v1(1155,2215) ; v1(1270,2060) U8.12@1350.87,2060
  Bottom Layer w12: v1(1155,2215) 1190,2180 1190,2075 1205,2060 ; R19.2@1220.92,1994.35 1220.25,1995.02 1220.25,2044.75 1205,2060 ; v1(1270,2060) 1205,2060
AVCC: C16.2 R8.2 U4.30 | length 418.5
  Top Layer w12: U4.30@6343.83,2117.54 6343.83,2011.17 6360.37,1994.63 6385,1994.63 ; v1(6400,2025) 6400,2009.63 6385,1994.63 ; R8.2@6513.53,1994.63 6385,1994.63
  Bottom Layer w12: C16.2@6360,2089.88 6360,2035 6370,2025 v1(6400,2025)
AVDD: C25.1 C27.2 C35.1 C36.1 P14.1 R44.2 U6.3 U7.1 U7.3 U9.24 | length 3172.5
  Top Layer w12: v1(775,2140) 798.5,2163.5 U9.24@860,2163.5
  Top Layer w20: C25.1@657.48,1369.59 v1(657.48,1507.87)
  Bottom Layer w12: 739.41,2070.12 C35.1@865,2070.12 C36.1@970,2070.12 ; v1(775,2140) 775,2085 789.88,2070.12
  Bottom Layer w20: R44.2@419.54,1208.78 467.91,1208.78 494.13,1235 494.84,1235 494.84,1519.68 530.28,1555.12 ; v1(657.48,1507.87) 657.48,1438.23 629.92,1410.67 ; 739.41,2070.12 712.6,2043.31 712.6,1748.03 673.23,1708.66 586.61,1708.66 530.28,1652.32 530.28,1555.12 ; P14.1@867,1622 867,1482.94 909,1440.94 ; C27.2@1204.72,1196.5 1204.72,1259.84 ; U7.1@1307.09,1281.5 1226.38,1281.5 1204.72,1259.84 ; U7.3@1307.09,1356.3 1226.38,1356.3 1204.72,1377.95 ; 530.28,1555.12 530.28,1450.04 569.65,1410.67 629.92,1410.67 ; 629.92,1410.67 U6.3@739.84,1410.67 843.74,1410.67 874.02,1440.94 909,1440.94 ; 909,1440.94 1165.35,1440.94 1204.72,1401.57 1204.72,1377.95 ; 1204.72,1259.84 1204.72,1377.95
B: U1.7 U2.12 | length 1965.3
  Top Layer w12: v1(6095,560) 5660.47,560 5606.3,614.17 5606.3,1307.09 5629.92,1330.71 6149.61,1330.71 6165,1315.31 6165,1300 6175,1290 U1.7@6234.49,1290
  Bottom Layer w12: U2.12@5997.6,560 v1(6095,560)
B+: J1.5 R4.2 | length 406.8
  Bottom Layer w12: R4.2@6542.83,1220 6690,1220 6700,1210 6700,1180 6709.87,1170.13 J1.5@6911.39,1170.13
B-: J1.6 R3.2 | length 341.8
  Bottom Layer w12: R3.2@6542.83,1305 6715,1305 6725,1295 6725,1230 6734.87,1220.13 J1.6@6811.39,1220.13
CLR: U8.14 U9.6 | length 579.5
  Top Layer w12: U9.6@1084.41,2291.46 1203.54,2291.46 1215,2280 1215,1980 1235,1960 U8.14@1350.87,1960
CS#: U8.13 U9.7 | length 554.7
  Top Layer w12: U9.7@1084.41,2317.05 1227.95,2317.05 1240,2305 1240,2030 1260,2010 U8.13@1350.87,2010
DM: P1.2 R9.2 | length 530.4
  Top Layer w12: R9.2@6737.71,2420.39 6849.5,2420.39 6860,2409.88 6860,2224.88 6875,2209.88 v1(6940,2209.88)
  Bottom Layer w10: P1.2@7066.81,2209.88 P1.2@7070.84,2213.91
  Bottom Layer w12: v1(6940,2209.88) P1.2@7066.81,2209.88
DP: P1.3 R10.2 | length 585.4
  Top Layer w12: R10.2@6737.71,2330.39 6824.5,2330.39 6835,2319.88 6835,2214.88 6865,2184.88 6920,2184.88 v1(6940,2164.88)
  Bottom Layer w12: v1(6940,2164.88) 7140,2164.88 7149.58,2174.46 P1.3@7149.58,2213.91